# Allegro board RK3588_Template_LP4XD200P232SD8_41R0X41R0_2133MHz_H1R6_V10_20211229.brd (continued)
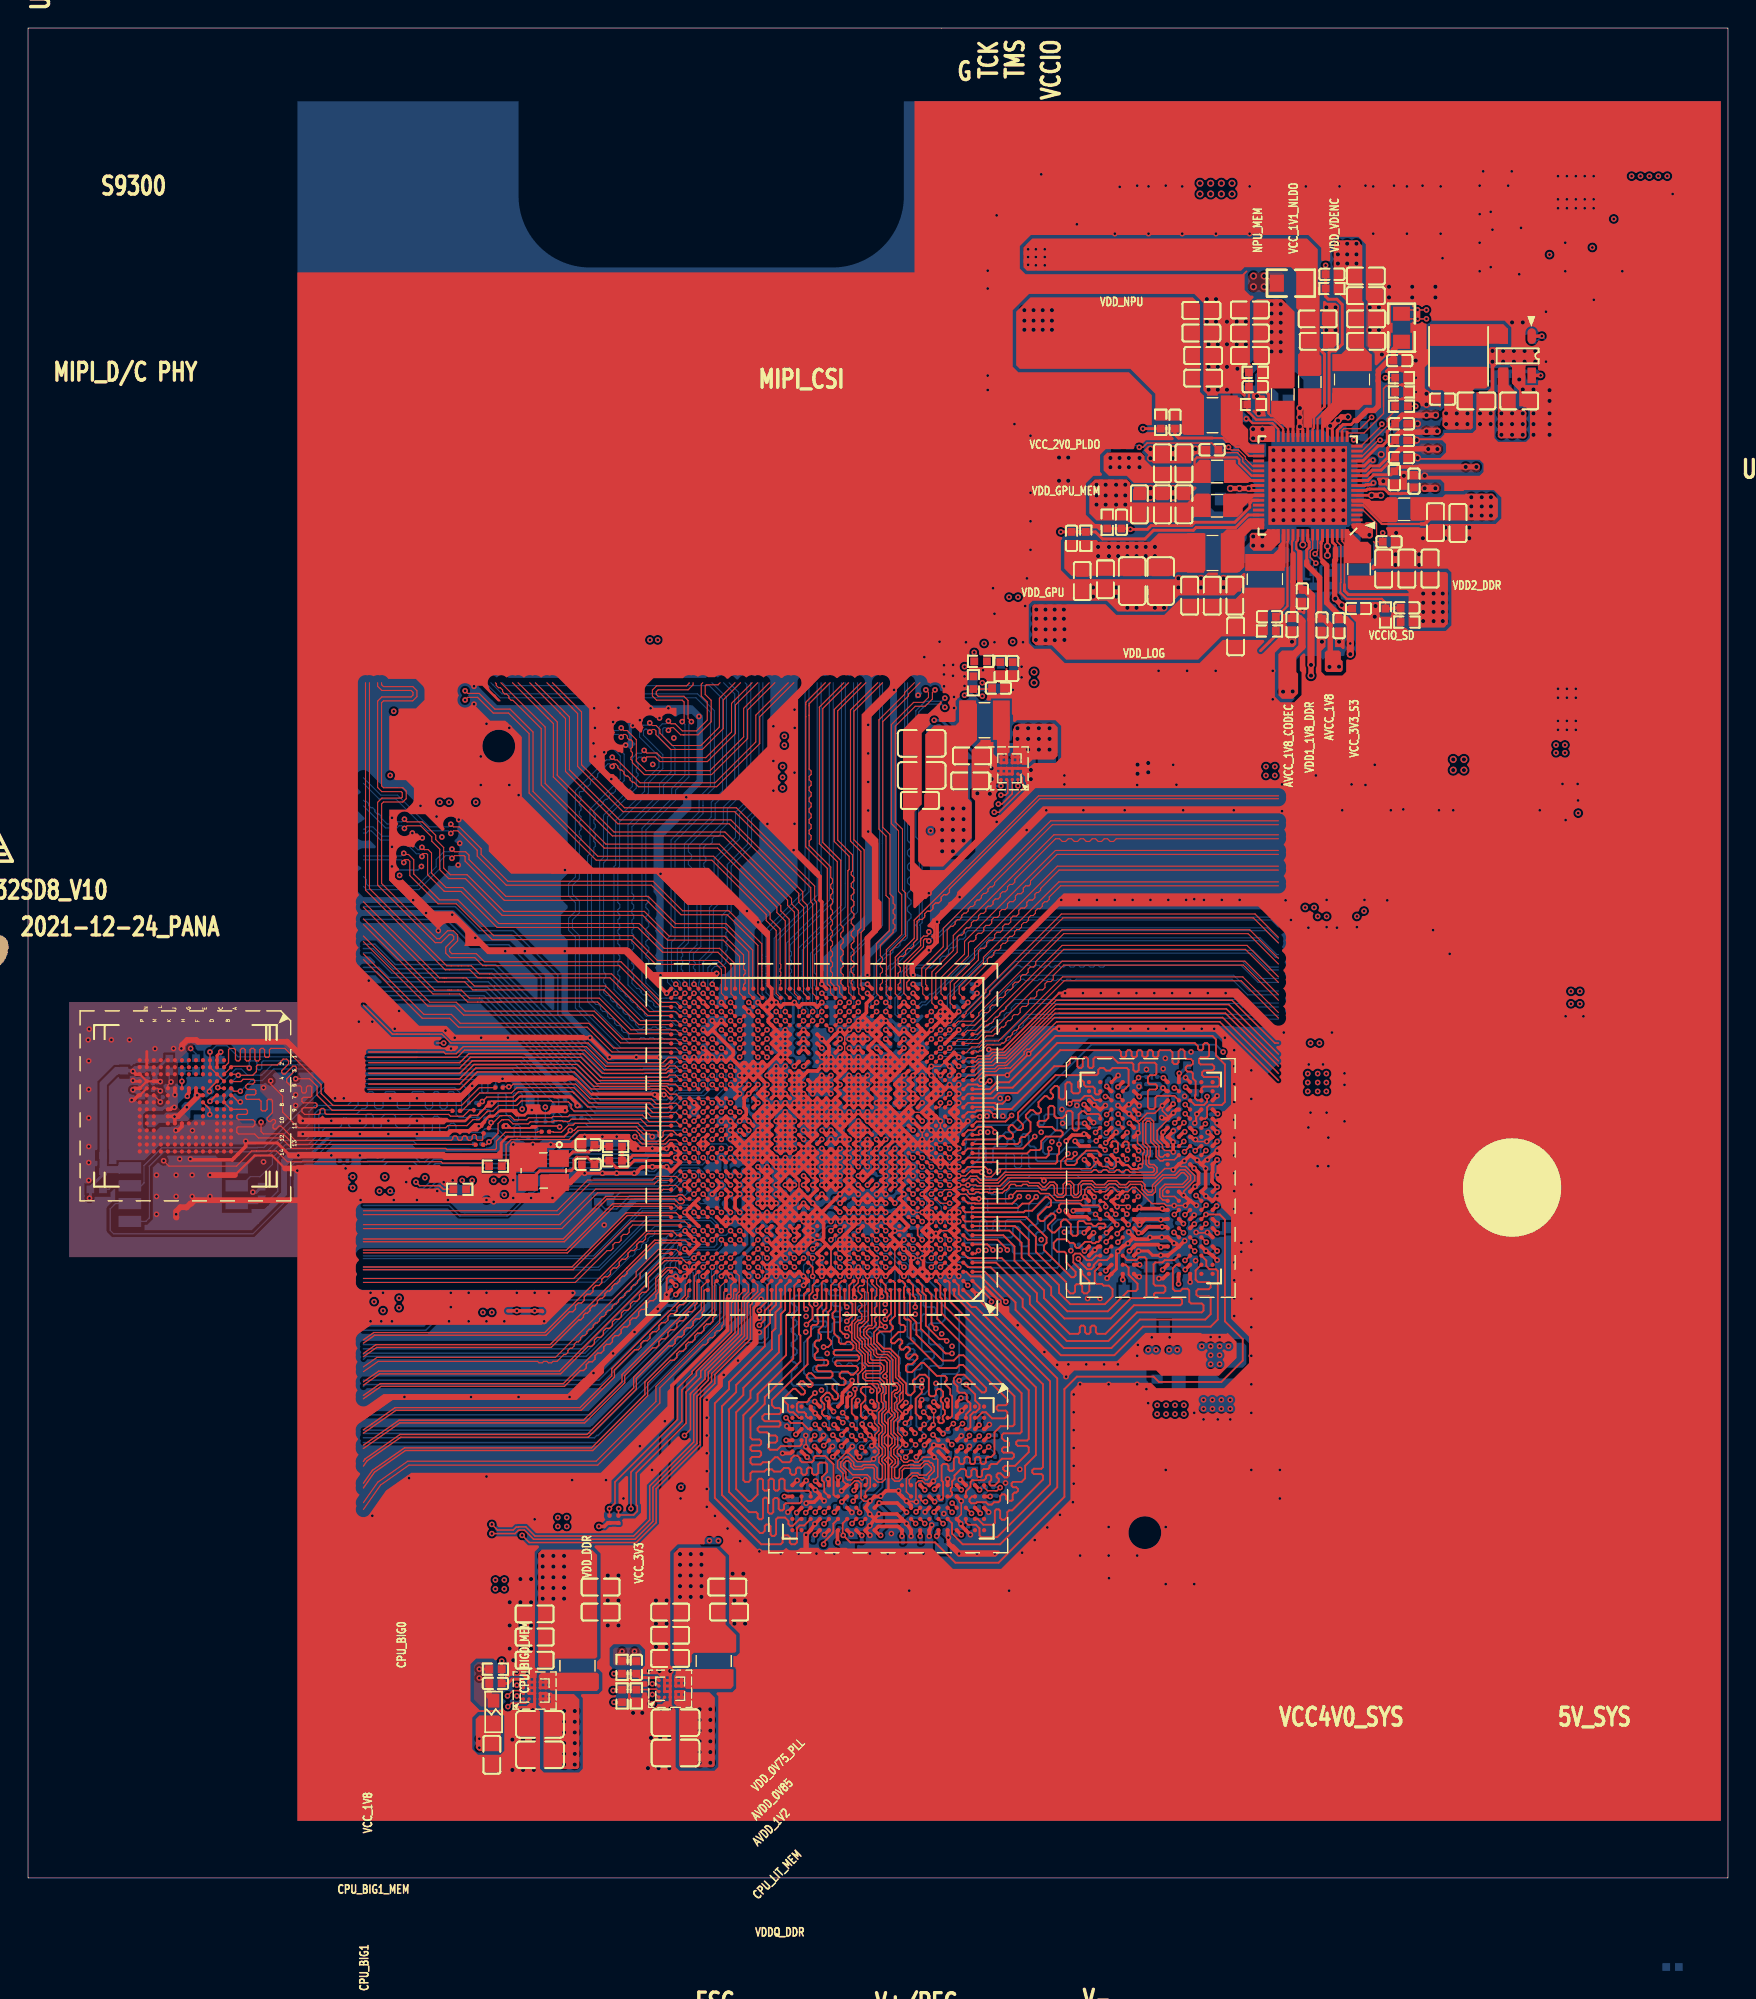
[diagram p0: board, top side]
## Copper pours and planes (outline as drawn; the poured copper is in the pictures) (continued)
VDD_CPU_BIG0_S0 on TOP (solid shape): 49.66,22.86 49.66,18.03 50.42,17.27 50.42,16.13 50.33,16.04 47.41,16.04 47.24,15.88 47.24,15.37 46.99,15.11 46.1,15.11 45.97,15.24 45.97,23.11 46.36,23.5 49.02,23.5
VDD_CPU_BIG0_S0 on BOTTOM (solid shape): 56.71,52 56.71,51.62 56.9,51.44 57.53,51.44 57.66,51.56 57.66,51.94 57.79,52.07 57.91,52.07 58.15,51.83 58.17,51.79 58.17,51.41 58.14,51.28 58.17,51.14 58.17,50.76 58.14,50.63 58.17,50.49 58.17,50.17 57.98,49.98 57.98,49.22 57.91,49.15 57.79,49.15 57.66,49.28 57.66,49.55 57.43,49.78 56.9,49.78 56.69,49.58 56.69,49.24 56.64,49.2 56.47,49.2 56.39,49.28 56.39,49.92 56.13,50.18 56.13,50.44 56.19,50.63 56.13,50.82 56.13,50.93 56.01,51.05 55.88,51.05 55.75,51.18 55.75,51.44 55.88,51.56 56.01,51.56 56.13,51.69 56.13,51.74 56.16,51.8 56.18,51.86 56.39,52.07 56.64,52.07
VDD_CPU_BIG0_S0 on L4-GND2 (solid shape): outline of 5083 points within 40.58,15.11 58.17,52.32
VDD_CPU_BIG0_S0 on L5-POWER2 (solid shape): outline of 4584 points within 39.37,15.11 58.42,52.32
VDD_CPU_BIG0_S0 on TOP: 41.78,16.38 43.43,16.38 43.69,16.13 43.69,15.24 43.56,15.11 41.78,15.11 41.66,15.24 41.66,16.26
VDD_CPU_BIG1_MEM_S0 on TOP (solid shape): 33.66,11.43 33.66,9.14 33.53,9.02 32.13,9.02 31.88,9.27 31.88,11.3 32.13,11.56 33.53,11.56
VDD_CPU_BIG1_MEM_S0 on L6-S2 (solid shape): outline of 1408 points within 31.75,37.98 54.86,49.91
VDD_CPU_BIG1_MEM_S0 on L3-POWER1: 29.59,41.02 33.78,41.02 34.04,40.77 34.04,24.13 32.39,22.48 32.39,12.95 32.77,12.57 32.77,9.53 32.26,9.02 29.08,9.02 28.45,9.65 28.45,39.88
VDD_CPU_BIG1_S0 on TOP (solid shape): 40.51,22.99 40.51,15.75 40.39,15.62 37.59,15.62 37.47,15.49 37.47,15.24 37.21,14.99 36.45,14.99 36.32,15.11 36.32,23.11 36.58,23.37 40.13,23.37
VDD_CPU_BIG1_S0 on L4-GND2 (solid shape): outline of 3782 points within 29.97,13.46 53.74,51.18
VDD_CPU_BIG1_S0 on L5-POWER2 (solid shape): outline of 3775 points within 26.29,13.34 53.72,51.18
VDD_CPU_BIG1_S0 on TOP: 32,15.37 33.02,15.37 33.15,15.24 33.15,13.46 33.53,13.08 33.53,12.32 33.4,12.19 32.26,12.19 31.75,12.7 31.75,15.11
VDD_CPU_LIT_S0 on TOP (solid shape): 83.44,112.01 83.44,105.79 83.69,105.54 83.69,102.74 82.3,102.74 82.17,102.87 82.17,103.76 80.26,103.76 80.26,105.66 78.49,107.44 70.61,107.44 70.36,107.7 70.36,111.51 71.37,112.52 82.93,112.52
VDD_CPU_LIT_S0 on BOTTOM (solid shape): 54.74,54.61 54.74,53.98 54.67,53.91 54.67,53.76 54.59,53.55 54.67,53.34 54.67,53.17 54.51,52.87 54.74,52.61 54.74,51.94 54.52,51.72 54.18,51.9 53.94,51.61 53.74,51.56 53.61,51.41 53.57,51.41 53.46,51.54 53.3,51.6 53.09,51.82 53.09,51.94 53.21,52.07 53.21,52.12 53.24,52.25 53.21,52.38 53.19,52.42 53.16,52.46 53.16,52.69 53.24,52.9 53.16,53.11 53.16,53.34 53.24,53.55 53.16,53.76 53.16,54.43 53.47,54.74 54.61,54.74
VDD_CPU_LIT_S0 on L4-GND2 (solid shape): outline of 7350 points within 28.83,51.44 73.28,112.65
VDD_CPU_LIT_S0 on L5-POWER2 (solid shape): outline of 7233 points within 25.65,51.31 73.66,112.78
VDD_DDR_S0 on TOP (solid shape): 78.49,99.31 78.49,98.04 78.61,97.92 82.55,97.92 83.19,98.55 84.07,98.55 84.2,98.43 84.2,96.9 83.06,96.9 82.68,96.52 78.36,96.52 78.23,96.65 76.07,96.65 75.56,97.16 75.56,99.19 75.95,99.57 78.23,99.57
VDD_DDR_S0 on L3-POWER1 (solid shape): outline of 9432 points within 56.01,47.62 81.03,100.08
VDD_GPU_S0 on TOP (solid shape): 83.82,93.09 83.69,92.96 81.79,92.96 81.53,92.71 74.3,92.71 73.79,93.22 73.79,95.12 73.91,95.25 76.07,95.25 76.2,95.12 79.88,95.12 80.48,95.72 83.82,95.72
VDD_GPU_S0 on BOTTOM (solid shape): 58.54,57.28 58.79,57.15 59.04,57.28 59.19,57.28 59.51,57.16 59.74,57.4 60.2,57.4 60.33,57.28 60.33,56.85 60.2,56.72 60.13,56.64 60.09,56.54 59.94,56.39 59.94,55.12 59.82,54.99 59.18,54.99 59.17,55 59.06,55 58.79,55.15 58.52,55 58.42,55 57.59,55.82 57.59,56.07 57.7,56.17 57.93,56.17 58.11,56.33 58.17,56.39 58.17,56.64 58.04,56.77 57.97,56.77 57.81,56.81 57.66,56.77 57.66,56.77 57.59,56.84 57.59,57.32 57.58,57.33 57.66,57.4 58.42,57.4
VDD_GPU_S0 on L4-GND2 (solid shape): outline of 6112 points within 57.91,54.86 82.3,95.63
VDD_GPU_S0 on L5-POWER2 (solid shape): outline of 6644 points within 57.91,54.23 84.2,96.14
VDD_LOG_S0 on TOP (solid shape): 89.41,90.55 89.15,90.3 88.39,90.3 88.27,90.17 88.27,88.52 88.14,88.39 84.96,88.39 83.31,86.74 73.91,86.74 72.9,87.76 71.75,87.76 71.5,88.01 71.5,90.55 71.63,90.68 76.71,90.68 77.47,89.92 80.9,89.92 82.04,91.06 85.98,91.06 86.74,91.82 89.41,91.82
VDD_LOG_S0 on BOTTOM (solid shape): 56.54,57.4 56.77,57.16 57.09,57.28 57.28,57.28 57.34,57.22 57.34,55.81 57.15,55.63 55.5,55.63 55.48,55.64 55.53,55.9 55.37,56.12 55.37,56.19 55.53,56.39 55.5,56.64 55.63,56.77 55.63,57.28 55.75,57.4
VDD_LOG_S0 on L4-GND2 (solid shape): outline of 5562 points within 46.06,52.71 74.17,99.69
VDD_LOG_S0 on L6-S2 (solid shape): outline of 1135 points within 54.86,47.5 59.56,53.72
VDD_NPU_S0 on TOP (solid shape): 67.56,83.57 67.56,81.03 66.93,80.39 66.93,76.84 67.18,76.58 67.18,74.04 65.15,72.01 63.75,72.01 63.37,72.39 63.37,74.55 63.91,74.55 63.91,74.5 63.92,74.44 63.94,74.4 63.97,74.35 64,74.31 64.04,74.27 64.09,74.24 64.13,74.22 64.18,74.2 64.24,74.2 64.29,74.2 64.34,74.2 64.39,74.22 64.44,74.24 64.48,74.27 64.52,74.31 64.55,74.35 64.58,74.4 64.6,74.44 64.61,74.5 64.62,74.55 64.61,74.6 64.6,74.65 64.58,74.7 64.55,74.75 64.52,74.79 64.48,74.83 64.44,74.86 64.39,74.88 64.34,74.89 64.29,74.9 64.24,74.9 64.18,74.89 64.13,74.88 64.09,74.86 64.04,74.83 64,74.79 63.97,74.75 63.94,74.7 63.92,74.65 63.91,74.6 63.91,74.55 63.37,74.55 63.37,75.82 63.88,76.33 63.88,81.41 64.52,82.04 66.04,82.04 66.29,82.3 66.29,83.69 66.42,83.82 67.31,83.82
VDD_NPU_S0 on BOTTOM (solid shape): 67.31,79.25 67.31,77.72 67.06,77.47 67.06,76.84 67.18,76.71 67.18,73.15 66.8,72.77 65.02,72.77 64.77,73.03 64.77,78.99 65.15,79.38 67.18,79.38
VDD_NPU_S0 on BOTTOM (solid shape): 53.64,58.24 53.68,58.2 53.73,58.16 53.85,58.04 54.06,58.04 54.07,58.01 54.08,57.98 54.08,57.87 54.23,57.72 54.23,57.28 53.98,57.02 53.98,56.96 53.93,56.8 53.98,56.65 53.98,56.31 53.93,56.15 53.98,56 53.98,55.66 53.96,55.63 53.73,55.63 53.72,55.63 53.09,55.63 52.96,55.75 52.93,55.75 52.93,55.93 52.83,56.07 52.83,56.23 52.92,56.36 52.94,56.51 52.94,56.66 52.58,57.02 52.58,57.36 52.6,57.4 52.62,57.44 52.7,57.53 52.7,57.91 52.83,58.04 52.96,58.04 53.09,58.17 53.09,58.29 53.21,58.42 53.47,58.42
VDD_NPU_S0 on L5-POWER2 (solid shape): outline of 5989 points within 43.18,55.25 68.96,82.68
VDD_VDENC_S0 on TOP (solid shape): 95,116.21 95,112.27 95.12,112.14 95.12,108.97 95.63,108.46 95.63,107.44 95.5,107.31 92.96,107.31 92.96,108.46 93.47,108.46 93.85,108.84 93.85,112.27 93.34,112.78 92.96,112.78 92.96,116.33 93.22,116.59 94.62,116.59
VDD_VDENC_S0 on BOTTOM (solid shape): 58.93,54.1 59.17,54.1 59.44,53.83 59.54,53.64 59.73,53.55 59.78,53.51 59.82,53.41 59.9,53.34 59.94,53.32 59.94,53.22 59.93,53.18 59.92,53.15 59.92,53.06 59.82,52.96 59.18,52.96 59.12,52.9 59,52.9 58.93,52.83 58.67,52.83 58.59,52.88 58.49,52.9 58.47,52.91 58.42,52.96 58.42,53.98 58.67,54.23 58.8,54.23
VDD_VDENC_S0 on L4-GND2 (solid shape): outline of 5719 points within 58.55,50.02 95,118.62
VDDA_0V75_S0 on BOTTOM (solid shape): 62.69,57.07 62.75,56.93 62.87,56.84 62.87,56.13 62.83,56.13 62.83,56.09 62.69,55.82 62.83,55.56 62.83,55.44 62.75,55.36 62.7,55.26 62.7,55.25 62.54,55.1 62.54,55.05 62.49,55 62.49,54.86 61.65,54.86 61.52,54.99 61.52,55.23 61.62,55.3 61.69,55.41 61.68,55.42 61.68,55.59 61.59,55.74 61.59,55.88 61.74,56.02 61.74,56.52 61.72,56.52 61.47,56.77 61.47,57.15 61.59,57.28 62.48,57.28
VDDA_0V75_S0 on L6-S2 (solid shape): outline of 720 points within 60.96,54.86 95.5,69.09
VDDA_0V75_S0 on TOP: 99.06,101.98 99.06,101.6 99.31,101.35 100.46,101.35 100.71,101.6 100.71,101.98 100.58,102.11 99.19,102.11
VDDA_0V75_S0 on L3-POWER1: 101.73,86.74 98.93,83.95 98.93,69.47 97.66,68.2 94.49,68.2 94.23,68.45 94.23,69.34 96.39,71.5 96.39,87 97.54,88.14 97.54,91.19 99.44,93.09 99.44,96.65 100.71,97.92 100.71,99.57 99.31,100.97 99.31,101.85 99.57,102.11 100.84,102.11 101.73,101.22
VDDA_0V85_S0 on BOTTOM (solid shape): 58.23,60.19 58.48,60.07 58.74,60.19 58.85,60.19 59.11,60.05 59.38,60.19 59.5,60.19 59.76,60.05 60.03,60.19 60.21,60.19 60.25,60.15 60.25,59.97 60.16,59.87 60.12,59.75 60.11,59.73 59.97,59.59 58.27,59.59 58.14,59.71 58.14,59.73 58.11,59.86 58.04,59.97 58.04,60.14 58.06,60.16 58.08,60.19
VDDA_0V85_S0 on L3-POWER1 (solid shape): outline of 813 points within 34.29,24.38 50.29,48.77
VDDA_0V85_S0 on L3-POWER1 (solid shape): outline of 870 points within 58.17,59.52 71.25,92.08
VDDA_0V85_S0 on TOP: 98.81,100.71 103.25,100.71 103.38,100.58 103.38,100.2 103.25,100.08 99.31,100.08 99.06,100.33 98.68,100.33 98.68,100.58
VDDA_0V85_S0 on L3-POWER1: 98.93,57.91 98.93,83.82 101.98,86.87 101.98,100.84 102.11,100.97 104.52,100.97 105.66,99.82 105.66,87.63 100.84,82.8 100.84,57.91
VDDA_0V85_S0 on L6-S2: 98.93,33.53 101.09,33.53 101.35,33.27 101.35,29.85 100.08,28.58 89.79,28.58 78.49,17.27 40.64,17.27 37.21,20.7 37.21,25.65 37.47,25.91 38.61,25.91 38.86,25.65 38.86,25.27 44.07,20.07 72.52,20.07 82.93,30.48 95.88,30.48
VDDA_0V85_S0 on L6-S2: 77.47,89.28 97.03,89.28 102.23,94.49 102.23,98.81 103.76,100.33 103.76,100.97 103.25,101.47 101.35,101.47 100.71,100.84 100.71,98.3 99.19,96.77 99.19,95.5 94.36,90.68 78.61,90.68 77.85,91.44 77.85,91.57 77.47,91.95 69.98,91.95 69.6,91.57 69.6,90.81 69.72,90.68 76.07,90.68
VDDA_1V2_S0 on TOP (solid shape): 90.3,87.25 90.3,85.85 90.42,85.72 90.42,84.33 90.04,83.95 89.28,83.95 89.03,84.2 89.03,87.12 89.28,87.38 90.17,87.38
VDDA_1V2_S0 on L3-POWER1 (solid shape): outline of 279 points within 55.12,59.56 56.64,65.15
VDDA_1V2_S0 on L6-S2: 53.34,81.53 53.34,80.65 54.23,79.76 81.53,79.76 83.95,82.17 88.65,82.17 90.68,84.2 90.68,84.84 90.55,84.96 84.45,84.96 80.9,81.41 75.56,81.41 74.68,82.3 54.1,82.3
VDDA_DDR_PLL_S0 on L4-GND2 (solid shape): outline of 1044 points within 52.07,21.59 60.33,49.5
VDDA_DDR_PLL_S0 on TOP: 98.81,102.74 100.46,102.74 100.58,102.87 100.58,103.12 100.33,103.38 99.31,103.38 99.19,103.25 98.93,103.25 98.81,103.12
VDDQ_DDR on BOTTOM (solid shape): 84.84,35.56 86.49,35.56 86.61,35.43 86.61,33.91 85.85,33.15 83.57,33.15 83.31,33.4 83.31,35.69 83.44,35.81 84.58,35.81
VDDQ_DDR on L3-POWER1: outline of 90 points within 54.36,21.08 88.14,57.15 ; 2 cut-outs
VDDQ_DDR_CK_S0 on BOTTOM (solid shape): 80.77,37.47 80.77,36.58 79.76,36.58 79.5,36.83 79.5,37.59 79.76,37.85 80.39,37.85
VDDQ_DDR_CK_S0 on L3-POWER1 (solid shape): outline of 859 points within 61.47,37.08 80.77,48.26
VDDQ_DDR_CKE_S3 on BOTTOM (solid shape): 82.42,37.72 82.42,36.7 82.3,36.58 81.15,36.58 81.03,36.7 81.03,37.72 81.15,37.85 82.3,37.85
VDDQ_DDR_CKE_S3 on L3-POWER1 (solid shape): outline of 1149 points within 62.48,37.21 82.04,49.78
VDDQ_DDR_CKE_S3 on L6-S2 (solid shape): outline of 537 points within 58.93,45.85 63.25,49.78
VDDQ_DDR_S0 on TOP (solid shape): 101.09,92.84 101.09,89.28 100.84,89.03 98.42,89.03 98.3,89.15 98.3,91.57 98.17,91.69 94.11,91.69 93.98,91.82 93.98,92.71 95.76,92.71 96.01,92.96 100.97,92.96
VDDQ_DDR_S0 on L4-GND2 (solid shape): outline of 5938 points within 59.06,32.64 82.55,52.13
VDDQ_DDR_S0 on BOTTOM: 80.01,35.81 82.3,35.81 82.42,35.69 82.42,34.54 82.61,34.35 82.61,32.7 83.06,32.26 87.12,32.26 87.88,33.02 87.88,56.52 89.03,57.66 92.58,57.66 92.96,57.28 92.96,55.75 92.46,55.25 91.06,55.25 90.81,54.99 90.81,30.35 89.79,29.34 81.15,29.34 80.26,30.23 80.26,32.77 80.14,32.89 80.14,33.78 80.26,33.91 80.26,34.93 80.01,35.18
VDDQ_DDR_S0 on L4-GND2: 99.19,91.19 102.87,91.19 103.76,90.3 103.76,70.1 98.04,64.39 98.04,56.52 96.77,55.25 90.55,55.25 90.17,55.63 90.17,67.18 89.53,67.82 89.53,69.09 90.17,69.72 90.17,70.74 98.93,79.5 98.93,90.93
(no net) on TOP: 88.01,101.47 88.01,102.03 87.07,102.03 86.87,102.23 86.87,103.12 86.49,103.5 86.49,105.16 86.23,105.41 84.96,105.41 84.96,102.74 85.72,101.98 86.23,101.98 86.74,101.47
(no net) on TOP: 80.01,100.46 82.93,100.46 83.44,100.97 84.07,100.97 84.2,100.84 84.2,99.31 78.74,99.31 78.23,99.82 76.96,99.82 76.58,100.2 76.58,101.22 76.84,101.47 79.25,101.47 79.5,101.22 79.5,100.97
(no net) on TOP: 98.55,96.65 104.39,96.65 104.65,96.9 104.65,98.17 104.27,98.55 102.36,98.55 102.3,98.49 100.9,98.49 100.71,98.3 98.42,98.3 98.42,96.77
(no net) on TOP: 92.96,107.31 95.5,107.31 95.63,107.44 95.63,108.46 95.12,108.97 95.12,112.14 95,112.27 95,116.21 94.62,116.59 93.22,116.59 92.96,116.33 92.96,112.78 93.34,112.78 93.85,112.27 93.85,108.84 93.47,108.46 92.96,108.46
(no net) on TOP: 83.69,92.96 83.82,93.09 83.82,95.72 80.48,95.72 79.88,95.12 76.2,95.12 76.07,95.25 73.91,95.25 73.79,95.12 73.79,93.22 74.3,92.71 81.53,92.71 81.79,92.96
(no net) on TOP: 85.22,99.31 86.87,99.31 86.94,99.39 88.01,99.39 88.01,99.57 87.12,99.57 85.98,100.71 85.98,100.97 85.15,100.97 85.15,99.38
(no net) on TOP: 89.41,90.55 89.41,91.82 86.74,91.82 85.98,91.06 82.04,91.06 80.9,89.92 77.47,89.92 76.71,90.68 71.63,90.68 71.5,90.55 71.5,88.01 71.75,87.76 72.9,87.76 73.91,86.74 83.31,86.74 84.96,88.39 88.14,88.39 88.27,88.52 88.27,90.17 88.39,90.3 89.15,90.3
(no net) on TOP: 89.66,103.25 89.41,103.5 89.15,103.5 88.52,104.14 88.52,105.16 90.17,105.16 90.17,103.25
(no net) on TOP: 88.52,106.05 90.04,106.05 90.17,106.17 90.17,111.51 89.28,112.4 87.5,112.4 87.25,112.14 87.25,107.95 87.5,107.7 87.5,105.92 87.63,105.79 88.27,105.79
(no net) on TOP: 84.96,95.63 85.34,96.01 86.11,96.01 86.87,96.77 88.01,96.77 88.01,96.01 87.12,96.01 86.61,95.5 86.61,93.34 86.23,92.96 84.96,92.96
(no net) on TOP: 93.73,93.6 93.73,96.01 93.74,96.03 94.04,96.03 94.04,95.95 94.87,95.12 95.38,95.12 95.63,94.87 95.63,93.73 95.5,93.6
(no net) on TOP: 87.5,93.09 87.5,94.23 88.65,94.23 89.03,94.62 89.03,94.87 89.28,95.12 89.28,96.01 89.53,96.01 89.53,93.34 89.28,93.09
(no net) on TOP: 92.08,103.25 92.08,104.27 92.84,105.03 92.84,105.66 93.22,106.05 95.12,106.05 95.25,105.92 95.25,105.03 94.74,104.52 93.6,104.52 92.46,103.38 92.46,103.25
(no net) on TOP: 94.23,97.92 95,97.92 96.39,96.52 97.41,96.52 97.54,96.65 97.54,98.17 97.41,98.3 96.77,98.3 96.52,98.04 95.63,98.04 95.5,98.18 94.23,98.18
(no net) on TOP: 89.03,87.12 89.28,87.38 90.17,87.38 90.3,87.25 90.3,85.85 90.42,85.72 90.42,84.33 90.04,83.95 89.28,83.95 89.03,84.2
(no net) on TOP: 90.42,106.93 90.42,108.46 90.55,108.59 90.55,111.51 90.3,111.76 90.3,114.3 89.92,114.68 86.61,114.68 86.36,114.43 71.12,114.43 70.87,114.68 70.87,116.08 71.5,116.71 91.06,116.71 91.82,115.95 91.82,113.28 91.95,113.16 91.95,108.46 92.08,108.33 92.08,107.06 91.95,106.93
(no net) on TOP: 89.11,95.08 89.11,96.01 88.27,96.01 88.01,95.76 87.12,95.76 87,95.63 87,94.74 87.25,94.49 88.52,94.49
(no net) on TOP: 78.36,96.52 78.23,96.65 76.07,96.65 75.56,97.16 75.56,99.19 75.95,99.57 78.23,99.57 78.49,99.31 78.49,98.04 78.61,97.92 82.55,97.92 83.19,98.55 84.07,98.55 84.2,98.43 84.2,96.9 83.06,96.9 82.68,96.52
(no net) on TOP: 87.25,102.23 88.76,102.23 88.76,103.26 88.65,103.38 87.12,103.38 87,103.25 87,102.49
(no net) on TOP: 90.81,103.25 90.81,104.52 90.42,104.9 90.42,106.05 92.08,106.05 92.08,104.52 91.44,103.89 91.44,103.25
(no net) on TOP: 94.23,96.14 94.23,96.39 95.12,96.39 95.25,96.52 95.63,96.52 95.76,96.39 95.76,95.5 95.63,95.38 95,95.38
(no net) on TOP: 93.34,87.38 93.47,87.25 93.47,86.74 93.6,86.61 93.6,85.98 93.47,85.85 92.46,85.85 92.33,85.98 92.33,87.25 92.46,87.38
(no net) on TOP: 80.26,103.76 80.26,105.66 78.49,107.44 70.61,107.44 70.36,107.7 70.36,111.51 71.37,112.52 82.93,112.52 83.44,112.01 83.44,105.79 83.69,105.54 83.69,102.74 82.3,102.74 82.17,102.87 82.17,103.76
(no net) on TOP: 94.11,91.69 93.98,91.82 93.98,92.71 95.76,92.71 96.01,92.96 100.97,92.96 101.09,92.84 101.09,89.28 100.84,89.03 98.42,89.03 98.3,89.15 98.3,91.57 98.17,91.69
(no net) on TOP: 85.09,96.9 85.09,98.43 85.22,98.55 88.01,98.55 88.01,98.3 87.25,98.3 86.49,97.54 86.49,97.28 86.11,96.9
(no net) on TOP: 32.13,11.56 33.53,11.56 33.66,11.43 33.66,9.14 33.53,9.02 32.13,9.02 31.88,9.27 31.88,11.3
(no net) on BOTTOM: 87.12,95.76 88.14,95.76 88.39,95.5 88.39,94.74 89.66,94.74 89.79,94.62 89.79,93.73 89.66,93.6 85.47,93.6 85.34,93.73 85.34,94.62 85.47,94.74 86.61,94.74 87,95.12 87,95.63
Net_878 on L6-S2 (solid shape): outline of 776 points within 43.94,54.99 51.82,58.29
PMIC_SW1 on TOP (solid shape): 88.01,96.01 87.12,96.01 86.61,95.5 86.61,93.34 86.23,92.96 84.96,92.96 84.96,95.63 85.34,96.01 86.11,96.01 86.87,96.77 88.01,96.77
PMIC_SW2 on TOP (solid shape): 86.49,105.16 86.49,103.5 86.87,103.12 86.87,102.23 87.07,102.03 88.01,102.03 88.01,101.47 86.74,101.47 86.23,101.98 85.72,101.98 84.96,102.74 84.96,105.41 86.23,105.41
PMIC_SW3 on TOP (solid shape): 89.53,93.34 89.28,93.09 87.5,93.09 87.5,94.23 88.65,94.23 89.03,94.62 89.03,94.87 89.28,95.12 89.28,96.01 89.53,96.01
PMIC_SW4 on TOP (solid shape): 95.25,105.92 95.25,105.03 94.74,104.52 93.6,104.52 92.46,103.38 92.46,103.25 92.08,103.25 92.08,104.27 92.84,105.03 92.84,105.66 93.22,106.05 95.12,106.05
PMIC_SW5 on TOP (solid shape): 88.01,98.3 87.25,98.3 86.49,97.54 86.49,97.28 86.11,96.9 85.09,96.9 85.09,98.43 85.22,98.55 88.01,98.55
PMIC_SW6 on TOP (solid shape): 90.17,103.25 89.66,103.25 89.41,103.5 89.15,103.5 88.52,104.14 88.52,105.16 90.17,105.16
PMIC_SW7 on TOP (solid shape): 85.98,100.71 87.12,99.57 88.01,99.57 88.01,99.39 86.94,99.39 86.87,99.31 85.22,99.31 85.15,99.38 85.15,100.97 85.98,100.97
PMIC_SW8 on TOP (solid shape): 97.54,98.17 97.54,96.65 97.41,96.52 96.39,96.52 95,97.92 94.23,97.92 94.23,98.18 95.5,98.18 95.63,98.04 96.52,98.04 96.77,98.3 97.41,98.3
PMIC_SW9 on TOP (solid shape): 94.04,95.95 94.87,95.12 95.38,95.12 95.63,94.87 95.63,93.73 95.5,93.6 93.73,93.6 93.73,96.01 93.74,96.03 94.04,96.03
PMIC_SW10 on TOP (solid shape): 92.08,104.52 91.44,103.89 91.44,103.25 90.81,103.25 90.81,104.52 90.42,104.9 90.42,106.05 92.08,106.05
N17721858 on BOTTOM: 117.86,-10.03 117.6,-9.78 117.6,-4.32 117.98,-3.94 125.6,-3.94 126.62,-4.95 126.62,-9.52 126.11,-10.03 ; 1 cut-out
N17758514 on TOP (solid shape): 40.64,14.48 40.64,13.46 40.51,13.34 37.21,13.34 37.15,13.4 37.15,14.22 36.45,14.22 36.45,14.48 36.58,14.61 40.51,14.61
N17758921 on TOP (solid shape): 50.16,14.73 50.16,13.59 50.04,13.46 46.86,13.46 46.8,13.52 46.8,14.35 46.1,14.35 46.1,14.6 46.12,14.68 46.12,14.75 46.23,14.86 50.04,14.86
N17759951 on TOP (solid shape): 69.88,82.68 69.88,80.14 69.82,80.08 69.04,80.08 68.99,80.14 68.99,82.8 69.75,82.8
N18396738 on TOP (solid shape): 105.36,110.29 105.36,109.23 104.02,109.23 103.89,109.09 99.82,109.09 99.82,110.62 105.03,110.62
GND on TOP (solid shape): 93.74,87.59 93.67,87.5 93.56,87.52 93.45,87.63 93.06,87.63 93.06,88.21 93.06,89.03 93.74,89.03
GND on TOP (solid shape): 34.42,53.44 35.72,53.44 35.86,53.58 36.17,53.58 36.26,53.52 36.25,53.42 36.22,53.37 36.19,53.37 36.15,53.33 34.67,53.33 34.66,53.33 33.88,53.33 33.77,53.32 33.71,53.41 33.71,53.6 33.84,53.73 33.95,53.73 33.95,53.73 34.12,53.73
GND on TOP (solid shape): 42.55,28.58 42.66,28.61 42.72,28.51 42.72,26.58 42.6,26.42 42.58,26.21 42.56,26.13 42.48,26.09 42.37,26.09 42.37,26.15 42.38,26.16 42.35,26.47 42.09,26.64 42.05,26.64 42.05,28.08
GND on BOTTOM (solid shape): 47.64,55.25 47.71,55.23 47.74,55.16 47.77,55.03 47.85,54.93 47.89,54.85 47.74,54.53 47.89,54.2 47.85,54.13 47.82,54.09 47.74,54.06 47.41,54.21 47.09,54.06 47.01,54.09 46.98,54.13 46.94,54.2 47.09,54.53 46.94,54.85 46.98,54.93 47.06,55.03 47.09,55.16 47.12,55.23 47.19,55.25
GND on BOTTOM (solid shape): 49.04,49.8 49.12,49.76 49.26,49.67 49.43,49.66 49.49,49.66 49.49,49.57 49.69,49.37 49.69,49.35 49.71,49.2 49.8,49.08 49.84,49 49.8,48.93 49.77,48.89 49.69,48.86 49.61,48.89 49.09,48.85 49.27,48.36 49.28,48.36 49.33,48.32 49.27,48.25 49.25,48.22 49.23,48.18 49.22,48.14 49.21,48.1 49.2,48.07 49.2,48.03 49.2,47.99 49.2,47.95 49.21,47.91 49.22,47.87 49.23,47.83 49.25,47.79 49.3,47.72 49.18,47.65 49.12,47.59 49.04,47.56 48.96,47.59 48.79,47.7 48.58,47.68 48.55,47.67 48.52,47.69 48.49,47.73 48.46,47.77 48.05,48.18 48.02,48.29 48.11,48.35 48.38,48.58 48.28,48.93 48.24,49 48.28,49.08 48.31,49.11 48.39,49.15 48.47,49.11 48.95,49.1 48.93,49.58 48.89,49.65 48.93,49.73 48.96,49.76
VCC1V8_PMU_DDR_S3 on L6-S2 (solid shape): 50.16,50.34 50.13,50.27 50.05,50.24 49.92,50.22 49.81,50.14 49.72,50.11 49.64,50.15 49.53,50.26 49.37,50.31 49.3,50.34 49.28,50.41 49.28,50.91 49.3,50.98 49.37,51.01 49.6,51.16 49.58,51.43 49.56,51.46 49.66,51.56 50.16,51.56

Small or netless copper shapes (teardrops, artwork), in the pictures only: 2 on TOP, 3 on BOTTOM, 1 on L6-S2, 1 on L3-POWER1

## Text on the board
User.Comments: CR_UNNAMED_1 | CR_DDR0_1
Ref Des/Silkscreen Top: CPU_BIG1_MEM | CPU_LIT | VDDQ_DDR | VDD_GPU | VCC_2V0_PLDO | VDD_GPU_MEM | VDD_NPU | VDD_LOG | VCCIO_SD | VDD2_DDR | AVDD_0V85 | VDD_0V75_PLL | AVDD_1V2 | CPU_LIT_MEM | CPU_BIG1 | VCC_1V8 | CPU_BIG0 | CPU_BIG0_MEM | VDD_DDR | VCC_3V3 | NPU_MEM | AVCC_1V8_CODEC | VCC_1V1_NLDO | VDD1_1V8_DDR | AVCC_1V8 | VDD_VDENC | VCC_3V3_S3 | WIFI/BT ANT0 | MIC | WIFI ANT1 | VGA | EARPHONE | PCIE RJ45 | RJ45 | RK_EVB1_RK3588_LP4XD200P232SD8_V10 | 2021-12-24_PANA | MIPI_D/C PHY | S9300 | ESC | MENU | MIPI_CSI | RESET | V+/REC | G | PWRON | V- | MASTROM | VCC4V0_SYS | SATA_POWER | 5V_SYS | JTAG(MCU or ARM) | USB2.0_HOST | DOWNLOAD | HDMI_OUT0 | HDMI_OUT1 | TYPE_C | HDMI_IN | USB3.0 | DEBUG PORT | UART TO USB | TCK | TMS | VCCIO | 5v | ON | OFF | 12V__DCIN | 12v
DEVICE_TYPE_BOTTOM: FIGURE | SIZE | 7.87 | 11.81 | 15.75 | 25.98 | 27.56 | 29.13 | 33.46 | 35.43 | 36.22 | 39.37 | 40.16 | 43.31 | 53.15 | 62.99 | 66.9 | 70.87 | 90.55 | 106.3 | 125.98 | 133.86 | 169.29 | 25.59 | 31.5 | 47.24 | 51.18 | 78.74 | 86.61 | 43.0x19.0 | 59.06x27.56 | 59.06x31.5 | 66.92x23.62 | 66.93x35.43 | 78.74x23.62 | 78.74x31.49 | 86.61x23.62 | 106.3x35.43 | 137.8x39.37 | 37.01x25.0 | DRILL CHART: TOP to BOTTOM | ALL UNITS ARE IN MILS | PLATED | NON-PLATED | QTY | 4870 | 1663 | 12 | 2 | 9 | 14 | 4 | 26 | 8 | 20 | 15 | 10 | 3 | 1 | 6
NCLEGEND-2-9: FIGURE | SIZE | 7.87 | DRILL CHART: L2-S1 to L9-GND4 | ALL UNITS ARE IN MILS | PLATED | QTY | 1020
NCLEGEND-9-10: FIGURE | SIZE | 3.94 | DRILL CHART: L9-GND4 to BOTTOM | ALL UNITS ARE IN MILS | PLATED | QTY | 1288
User.5: FIGURE | SIZE | 3.94 | DRILL CHART: TOP to L2-S1 | ALL UNITS ARE IN MILS | PLATED | QTY | 2699
